# Altium PCB uTCA_MCH_PCB3.pcbdoc (part 17 of 25) (continued)
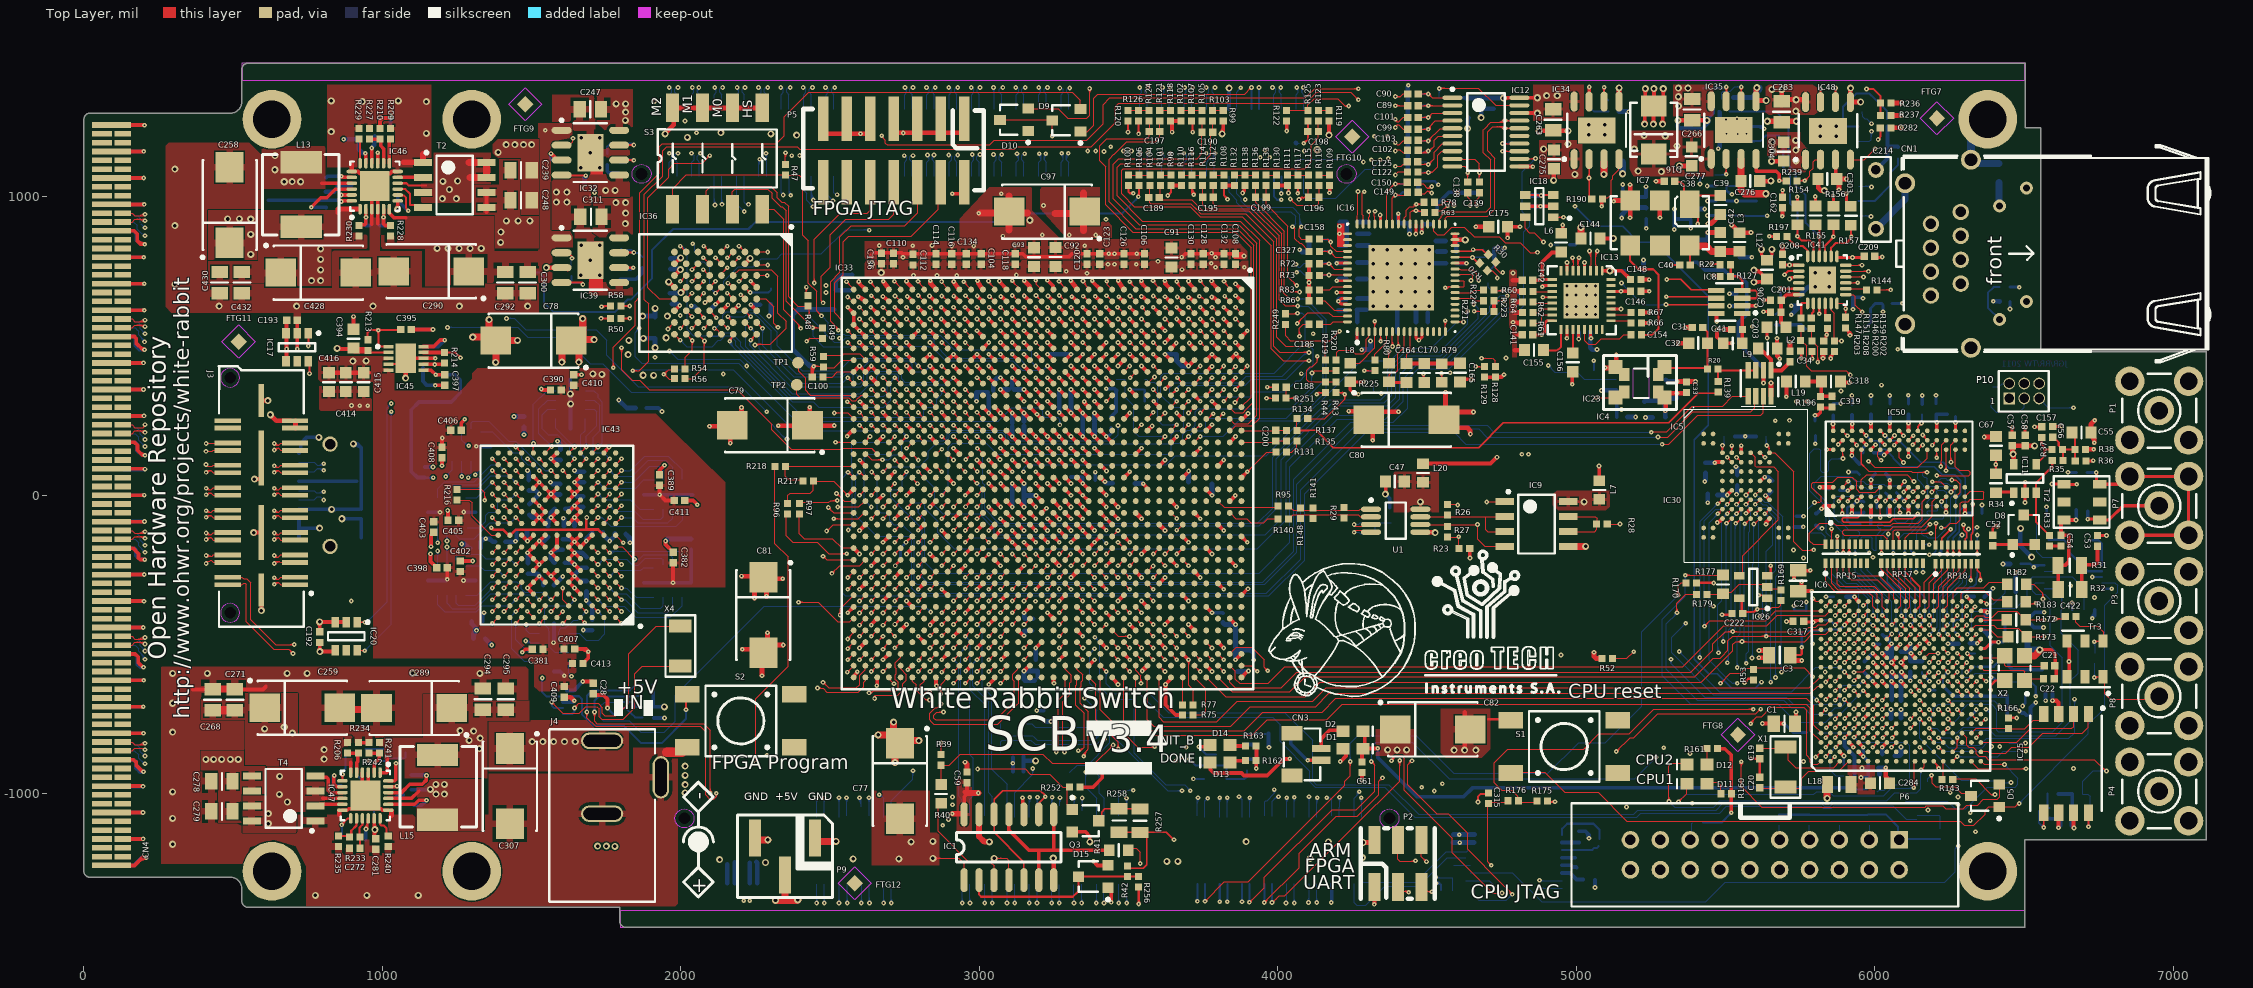
[diagram p0: Top Layer view]
## Nets (pads, with @x,y where several pads share a name; then routed paths per layer and width w, separated by ;. In a path a pad name is that pad's centre, name@x,y a point inside that pad or via, vN(x,y) a via of type N, cw(c..) or ccw(c..) an arc to the next point about the centre after c; other vN are vias at no path point) (continued)
  Bottom Layer w3.94: RP4.9@1297.24,222.44 1297.24,242.13 1303.15,248.03 1356.3,248.03 1423.23,181.1 1446.85,181.1 1545.28,82.68 v1(1564.96,82.68) ; v1@1560.78,78.5 ccw(c1550.7,68.42) 1550.7,82.68 ccw(c1550.7,96.93) v1@1560.78,86.85
  other v1: 2598.55,-394.7
Q2_A7: IC33.AM28 IC43.N7 RP4.10 | length 2225.2
  Top Layer w3.94: v1@1525.59,76.77 cw(c1525.59,62.51) 1535.67,72.6 cw(c1545.75,82.68) v1@1531.5,82.68 ; v1(1525.59,82.68) IC43.N7@1545.28,62.99 ; v1@2637.79,-393.7 IC33.AM28@2657.48,-374.02 ; v1@2637.92,-388.8 ccw(c2637.92,-377.28) 2646.07,-385.42 ; v1@2643.83,-394.7 cw(c2660.82,-394.7) 2648.81,-382.69
  MidLayer3 w3.94: v1@1525.59,76.77 cw(c1525.59,62.51) 1535.67,72.6 cw(c1545.75,82.68) v1@1531.5,82.68 ; v1(1525.59,82.68) 1543.31,64.96 1543.31,-79.72 1638.78,-175.2 1783.46,-175.2 1855.64,-247.37 1860.24,-247.37 ; 1861.37,-246.24 1865.96,-246.24 1876.68,-256.96 1876.68,-261.55 ; 1875.55,-262.69 1875.55,-267.28 1880.91,-272.64 1908.17,-272.64 1911.42,-269.39 1911.42,-255.21 1914.67,-251.97 1929.82,-251.97 1933.07,-255.21 1933.07,-269.39 1936.32,-272.64 1973.13,-272.64 1976.38,-275.89 1976.38,-278.76 1979.63,-282.01 1994.78,-282.01 1998.03,-278.76 1998.03,-275.89 2001.28,-272.64 2016.44,-272.64 2019.69,-275.89 2019.69,-294.51 2022.93,-297.76 2038.09,-297.76 2041.34,-294.51 2041.34,-275.89 2044.59,-272.64 2059.74,-272.64 2062.99,-275.89 2062.99,-294.51 2066.24,-297.76 2081.4,-297.76 2084.65,-294.51 2084.65,-275.89 2087.89,-272.64 2103.05,-272.64 2106.3,-275.89 2106.3,-294.51 2109.55,-297.76 2124.7,-297.76 2127.95,-294.51 2127.95,-275.89 2131.2,-272.64 2160.43,-272.64 2167.86,-280.07 2167.86,-284.66 2158.74,-293.79 2158.74,-301.87 2164.92,-308.05 2175.1,-308.05 2185.47,-297.68 2192.04,-291.11 2196.63,-291.11 2207.35,-301.83 2207.35,-306.42 2200.78,-312.99 2189.36,-324.41 2189.36,-332.5 2196.51,-339.65 2204.45,-339.65 2204.6,-339.8 2216.1,-328.3 2222.66,-321.73 2227.26,-321.73 2233.46,-327.94 2233.46,-341.55 2220.06,-354.95 2220.06,-362.25 2227.69,-369.88 2235.77,-369.88 2247.92,-357.72 2263.24,-357.72 2268.6,-363.07 2268.6,-367.67 2264.33,-371.94 2264.33,-376.53 2269.69,-381.89 2283.17,-381.89 2286.42,-385.14 2286.42,-403.76 2289.67,-407.01 2304.82,-407.01 2308.07,-403.76 2308.07,-385.14 2311.32,-381.89 2453.74,-381.89 2466.54,-394.68 2504.92,-394.68 2527.56,-417.32 2614.17,-417.32 2637.36,-394.14 v1@2637.79,-393.7 ; 2625.91,-405.59 cw(c2637.92,-417.6) v1@2637.92,-400.61 ; 2628.64,-402.85 ccw(c2620.49,-394.7) v1@2632.02,-394.7
  Bottom Layer w3.94: RP4.10@1328.74,212.6 1368.11,212.6 1438.98,141.73 1454.72,141.73 1466.54,129.92 1466.54,122.25 1486.42,102.36 1507.87,102.36 v1@1525.59,84.65 ; 1514.12,96.12 cw(c1500.67,82.68) v1@1519.68,82.68 ; 1518.87,91.37 ccw(c1525.59,98.09) v1@1525.59,88.58 ; 1520.84,89.4 cw(c1514.11,82.68) v1@1523.62,82.68
  other v1: 2637.92,-394.7
Q2_A8: IC33.AM26 IC43.P4 RP2.5 | length 2173.7
  Top Layer w3.94: IC43.P4@1663.39,102.36 v1(1683.07,122.05) ; v1@1677.17,122.05 cw(c1662.91,122.05) 1672.99,111.97 cw(c1683.07,101.88) v1@1683.07,116.14 ; v1(2637.79,-314.96) IC33.AM26@2657.48,-295.28 ; v1@2637.79,-309.06 ccw(c2637.79,-294.8) 2647.88,-304.88 ccw(c2657.96,-314.96) v1@2643.7,-314.96
  MidLayer3 w3.94: v1@1683.07,116.14 cw(c1683.07,101.88) 1693.15,111.97 cw(c1703.23,122.05) v1@1688.98,122.05 ; v1(1683.07,122.05) 1702.76,102.36 1728.35,102.36 1739.17,91.54 1739.17,37.4 1752.95,23.62 1767.42,23.62 1770.67,26.87 1770.67,34.07 1773.92,37.32 1789.07,37.32 1792.32,34.07 1792.32,26.87 1795.57,23.62 1824.8,23.62 1833.44,14.98 1838.03,14.98 1853.99,30.94 1858.58,30.94 1869.3,20.22 1869.3,15.62 1851.05,-2.62 1832.8,-20.87 1832.8,-25.47 1843.52,-36.18 1848.11,-36.18 1864.06,-20.23 1868.66,-20.23 1874.02,-25.59 1877.66,-25.59 1880.91,-22.34 1880.91,0.22 1884.15,3.46 1899.31,3.46 1902.56,0.22 1902.56,-51.4 1905.81,-54.65 1920.96,-54.65 1924.21,-51.4 1924.21,-14.47 1927.46,-11.22 1942.62,-11.22 1945.87,-14.47 1945.87,-22.34 1949.11,-25.59 1956.69,-25.59 1986.22,-55.12 2000.69,-55.12 2003.94,-58.37 2003.94,-71.04 2007.19,-74.29 2022.34,-74.29 2025.59,-71.04 2025.59,-41.72 2028.84,-38.47 2044,-38.47 2047.24,-41.72 2047.24,-71.04 2050.49,-74.29 2065.65,-74.29 2068.9,-71.04 2068.9,-29.31 2072.15,-26.06 2087.3,-26.06 2090.55,-29.31 2090.55,-71.04 2093.8,-74.29 2108.96,-74.29 2112.2,-71.04 2112.2,-29.31 2115.45,-26.06 2130.61,-26.06 2133.86,-29.31 2133.86,-71.04 2137.11,-74.29 2152.26,-74.29 2155.51,-71.04 2155.51,-29.31 2158.76,-26.06 2173.92,-26.06 2177.17,-29.31 2177.17,-71.04 2180.41,-74.29 2195.57,-74.29 2198.82,-71.04 2198.82,-58.37 2202.07,-55.12 2216.16,-55.12 2266.79,-105.75 2275.69,-105.75 2280.51,-100.93 2285.1,-100.93 2295.82,-111.65 2295.82,-116.24 2291.01,-121.06 2291.01,-125.65 2301.72,-136.37 2306.32,-136.37 2311.13,-131.55 2315.73,-131.55 2326.44,-142.27 2326.44,-146.86 2321.63,-151.68 2321.63,-156.27 2332.35,-166.99 2336.94,-166.99 2341.76,-162.18 2346.35,-162.18 2357.07,-172.89 2357.07,-177.49 2352.25,-182.3 2352.25,-186.9 2362.97,-197.61 2367.56,-197.61 2372.38,-192.8 2376.97,-192.8 2387.69,-203.52 2387.69,-208.11 2382.87,-212.93 2382.87,-217.52 2409.45,-244.09 2458.66,-244.09 2507.87,-293.31 2583.66,-293.31 2588.58,-298.23 2621.06,-298.23 v1(2637.79,-314.96) ; v1@2631.89,-314.96 ccw(c2617.63,-314.96) 2627.71,-304.88 ccw(c2637.79,-294.8) v1@2637.79,-309.06
  Bottom Layer w3.94: v1@1677.17,122.05 ccw(c1662.91,122.05) 1672.99,132.13 ccw(c1683.07,142.21) v1@1683.07,127.95 ; RP2.5@1679.13,255.9 1679.13,216.54 1665.35,202.76 1665.35,139.76 v1(1683.07,122.05)
Q2_A9: IC33.AJ25 IC43.P5 RP2.8 | length 2258.7
  Top Layer w3.94: IC43.P5@1624.02,102.36 v1(1643.7,122.05) ; v1@1637.8,122.05 cw(c1623.54,122.05) 1633.62,111.97 cw(c1643.7,101.88) v1@1643.7,116.14 ; v1(2755.9,-275.59) IC33.AJ25@2775.59,-255.91 ; v1@2755.9,-269.69 ccw(c2755.9,-255.43) 2765.99,-265.51 ccw(c2776.07,-275.59) v1@2761.81,-275.59
  MidLayer3 w3.94: v1(1643.7,122.05) 1663.39,141.73 1807.09,141.73 1814.41,134.4 1819.01,134.4 1829.39,144.79 1833.98,144.79 1844.7,134.07 1844.7,129.48 1819.34,104.12 1819.34,99.52 1830.06,88.8 1834.65,88.8 1860.01,114.17 1864.61,114.17 1875.33,103.45 1875.33,98.85 1864.94,88.47 1864.94,83.88 1878.01,70.81 1939.79,70.81 1950.51,60.09 1950.51,55.5 1940.62,45.6 1930.72,35.71 1930.72,31.11 1941.44,20.4 1946.03,20.4 1953.63,28 1958.22,28 1963.58,22.64 1987.89,22.64 1991.14,19.39 1991.14,8.64 1994.39,5.39 2009.55,5.39 2012.8,8.64 2012.8,36.63 2016.04,39.88 2031.2,39.88 2034.45,36.63 2034.45,8.64 2037.7,5.39 2052.85,5.39 2056.1,8.64 2056.1,36.63 2059.35,39.88 2074.51,39.88 2077.76,36.63 2077.76,8.64 2081,5.39 2096.16,5.39 2099.41,8.64 2099.41,36.63 2102.66,39.88 2117.82,39.88 2121.06,36.63 2121.06,8.64 2124.31,5.39 2139.47,5.39 2142.72,8.64 2142.72,32.46 2145.96,35.71 2153.23,35.71 2156.83,32.11 2156.83,22.03 2161,17.86 2161,4.39 2165.48,-0.09 2173.8,-0.09 2180.58,6.69 2191.14,6.69 2207.52,-9.68 2207.52,-14.27 2199.92,-21.87 2199.92,-26.47 2210.63,-37.19 2215.23,-37.19 2222.83,-29.59 2227.42,-29.59 2238.14,-40.3 2238.14,-44.9 2231.36,-51.67 2231.36,-56.27 2242.08,-66.98 2246.67,-66.98 2253.45,-60.21 2258.04,-60.21 2268.76,-70.93 2268.76,-75.52 2265.55,-78.73 2265.55,-83.32 2276.27,-94.04 2280.86,-94.04 2284.07,-90.83 2288.67,-90.83 2375.94,-178.11 2380.53,-178.11 2384.85,-173.79 2389.44,-173.79 2400.16,-184.51 2400.16,-189.1 2395.85,-193.42 2395.85,-198.01 2416.52,-218.68 2435.73,-218.68 2438.98,-221.93 2438.98,-232.68 2442.22,-235.92 2457.38,-235.92 2460.63,-232.68 2460.63,-221.93 2463.88,-218.68 2494.27,-218.68 2527.56,-251.97 2595.47,-251.97 2636.81,-293.31 2738.19,-293.31 v1(2755.9,-275.59) ; v1@1643.7,127.95 ccw(c1643.7,142.21) 1653.78,132.13 ccw(c1663.86,122.05) v1@1649.61,122.05 ; v1@2750,-275.59 cw(c2735.74,-275.59) 2745.82,-285.67 cw(c2755.9,-295.75) v1@2755.9,-281.5
  Bottom Layer w3.94: RP2.8@1580.71,287.4 1553.15,287.4 1535.43,269.68 1535.43,222.44 1555.12,202.76 1586.61,202.76 1627.95,161.42 1627.95,137.8 v1@1641.73,124.02 ; v1@1637.8,122.05 ccw(c1623.54,122.05) 1633.62,132.13 ccw(c1643.7,142.21) v1@1643.7,127.95
Q2_A10: IC33.AN29 IC43.P7 RP4.2 | length 2451.2
  Top Layer w3.94: v1@2598.43,-433.07 IC33.AN29@2618.11,-413.39 ; v1@2598.55,-429.16 ccw(c2598.55,-420.01) 2605.02,-426.48 ; v1@2600.52,-435.06 cw(c2610.38,-435.06) 2603.41,-428.09 ; v1@2604.46,-435.06 cw(c2623.82,-435.06) 2610.13,-421.37 ; 1535.67,111.97 cw(c1545.75,122.05) 1531.5,122.05 ccw(c1545.76,122.05) 1535.67,111.96 ; 1535.67,111.97 ccw(c1525.59,101.88) 1525.59,116.14 cw(c1525.59,101.89) 1535.67,111.97 ; v1(1525.59,122.05) IC43.P7@1545.28,102.36 v1(1525.59,122.05)
  MidLayer1 w3.94: v1@1306.85,73.07 ccw(c1296.77,83.15) 1311.02,83.15 ccw(c1325.28,83.15) v1@1315.2,73.07 ; v1(1311.02,68.9) 1311.02,133.86 1358.27,181.1 1468.5,181.1 v1@1525.59,124.02 ; 1514.12,135.49 cw(c1500.68,122.05) v1@1519.69,122.05 ; 1518.87,130.74 ccw(c1525.59,137.46) v1@1525.59,127.95 ; 1520.84,128.77 cw(c1514.12,122.05) v1@1523.62,122.05
  MidLayer3 w3.94: v1@1519.69,122.05 cw(c1505.43,122.05) 1515.51,111.97 cw(c1525.59,101.88) v1@1525.59,116.14 ; v1(1525.59,122.05) 1505.91,102.36 1505.91,-3.64 1509.15,-6.89 1514.39,-6.89 1517.64,-10.14 1517.64,-25.3 1514.39,-28.54 1495.85,-28.54 1492.6,-31.79 1492.6,-46.95 1495.85,-50.2 1502.66,-50.2 1505.91,-53.44 1505.91,-82.68 1523.18,-99.95 1527.77,-99.95 1532.58,-95.14 1537.17,-95.14 1547.89,-105.86 1547.89,-110.45 1540.79,-117.56 1533.67,-124.67 1533.67,-129.27 1544.39,-139.98 1548.99,-139.98 1556.1,-132.87 1563.2,-125.77 1567.8,-125.77 1578.51,-136.48 1578.51,-141.08 1571.41,-148.18 1564.3,-155.29 1564.3,-159.89 1575.02,-170.61 1579.61,-170.61 1593.83,-156.39 1598.42,-156.39 1609.14,-167.11 1609.14,-171.7 1602.03,-178.8 1594.92,-185.92 1594.92,-190.51 1605.64,-201.23 1610.23,-201.23 1615.05,-196.41 1619.64,-196.41 1635.83,-212.6 1647.34,-212.6 1650.59,-209.35 1650.59,-204.12 1653.84,-200.87 1669,-200.87 1672.24,-204.12 1672.24,-238.41 1675.49,-241.65 1690.65,-241.65 1693.9,-238.41 1693.9,-204.12 1697.15,-200.87 1712.3,-200.87 1715.55,-204.12 1715.55,-209.35 1718.8,-212.6 1733.96,-212.6 1737.2,-209.35 ; 1737.2,-207.35 1740.45,-204.11 1755.61,-204.11 1758.86,-207.35 ; 1758.86,-209.35 1762.11,-212.6 1803.15,-212.6 1840.55,-250 1840.55,-257.87 1867.13,-284.45 1941.93,-284.45 1965.55,-308.07 2149.51,-308.07 2226.28,-384.84 2249.02,-384.84 2279.53,-415.35 2312.01,-415.35 2320.87,-406.5 2342.13,-406.5 2346.46,-402.17 2346.46,-393.58 2350.79,-389.25 2363.78,-389.25 2368.11,-393.58 2368.11,-402.17 2372.44,-406.5 2385.43,-406.5 2389.76,-402.17 2389.76,-396.06 2394.09,-391.73 2407.09,-391.73 2411.42,-396.06 2411.42,-402.17 2415.75,-406.5 2428.74,-406.5 2433.07,-402.17 2433.07,-396.06 2437.4,-391.73 2450.39,-391.73 2465.16,-406.5 2502.95,-406.5 2529.53,-433.07 v1@2598.43,-433.07 ; 2579.49,-433.07 cw(c2579.49,-454.12) v1@2594.38,-439.24 ; 2589,-433.07 cw(c2589,-444.62) v1@2597.16,-436.45 ; 2589.1,-433.07 ccw(c2589.1,-425.61) v1@2594.38,-430.88
  Bottom Layer w3.94: v1(1311.02,68.9) 1328.74,86.61 RP4.2@1328.74,114.17 ; v1@1311.02,74.8 ccw(c1311.02,89.06) 1321.1,78.98 ccw(c1331.19,68.9) v1@1316.93,68.9
  other v1: 2598.55,-435.06
Q2_A11: IC33.AL28 IC43.P8 RP4.3 | length 2359
  Top Layer w3.94: v1@2677.16,-393.7 IC33.AL28@2696.85,-374.02 ; v1@2677.3,-388.8 ccw(c2677.3,-377.28) 2685.44,-385.43 ; v1@2683.2,-394.7 cw(c2700.2,-394.7) 2688.18,-382.69 ; 1496.3,111.96 cw(c1506.39,122.05) 1492.13,122.05 ccw(c1506.38,122.05) 1496.3,111.97 ; 1496.3,111.97 ccw(c1486.22,101.89) 1486.22,116.14 cw(c1486.22,101.88) 1496.3,111.97 ; v1(1486.22,122.05) IC43.P8@1505.91,102.36 v1(1486.22,122.05)
  MidLayer1 w3.94: v1(1287.4,59.06) 1295.28,51.18 1334.65,51.18 1350.39,66.93 1350.39,90.55 1362.2,102.36 1374.02,102.36 1389.76,118.11 1389.76,127.95 1403.54,141.73 1466.54,141.73 v1(1486.22,122.05) ; v1@1480.31,122.05 ccw(c1466.06,122.05) 1476.14,132.13 ccw(c1486.22,142.21) v1@1486.22,127.95
  MidLayer3 w3.94: v1@1480.31,122.05 cw(c1466.06,122.05) 1476.14,111.97 cw(c1486.22,101.88) v1@1486.22,116.14 ; v1(1486.22,122.05) 1466.54,102.36 1466.54,-84.65 1502.15,-120.26 1502.15,-152.62 1526.51,-176.99 1571.56,-176.99 1580.89,-186.32 1580.89,-218.33 ; 1580.71,-218.5 1616.14,-253.94 1812.01,-253.94 1869.09,-311.02 1938.98,-311.02 1946.85,-318.9 2077.46,-318.9 2080.71,-322.15 ; 2080.71,-323.99 2083.96,-327.24 2099.11,-327.24 2102.36,-323.99 ; 2102.36,-322.15 2105.61,-318.9 2134.84,-318.9 2145.28,-329.34 2145.28,-333.93 2140.47,-338.75 2140.47,-343.34 2151.18,-354.06 2155.78,-354.06 2162.89,-346.95 2168.47,-341.37 2173.06,-341.37 2183.78,-352.08 2183.78,-356.68 2178.2,-362.26 2171.1,-369.36 2171.1,-373.95 2181.82,-384.67 2186.41,-384.67 2199.09,-371.99 2203.69,-371.99 2214.4,-382.71 2214.4,-387.3 2201.72,-399.98 2201.72,-404.58 2212.44,-415.3 2217.03,-415.3 2221.84,-410.49 2226.43,-410.49 2239.17,-423.23 2348.13,-423.23 2351.38,-419.98 2351.38,-416.1 2354.63,-412.85 2369.78,-412.85 2373.03,-416.1 2373.03,-419.98 2376.28,-423.23 2391.44,-423.23 2394.69,-419.98 2394.69,-416.1 2397.93,-412.85 2413.09,-412.85 2416.34,-416.1 2416.34,-419.98 2419.59,-423.23 2434.74,-423.23 2437.99,-419.98 2437.99,-416.1 2441.24,-412.85 2456.4,-412.85 2459.65,-416.1 2459.65,-419.98 2462.89,-423.23 2504.92,-423.23 2532.48,-450.79 2608.27,-450.79 2618.11,-440.94 2618.11,-427.17 2633.86,-411.42 2659.45,-411.42 2676.73,-394.14 v1@2677.16,-393.7 ; 2665.28,-405.59 cw(c2677.3,-417.61) v1@2677.3,-400.61 ; 2668.02,-402.85 ccw(c2659.87,-394.7) v1@2671.39,-394.7
  Bottom Layer w3.94: v1(1287.4,59.06) 1297.24,68.9 ; v1@1287.5,64.96 ccw(c1287.73,78.41) 1297.24,68.9 ; v1@1293.31,59.16 cw(c1306.75,59.39) 1297.24,68.9 ; RP4.3@1297.24,114.17 1297.24,68.9
  other v1: 2677.3,-394.7
Q2_A12: IC33.AH25 IC43.R3 RP2.2 | length 2184.4
  Top Layer w3.94: IC43.R3@1702.76,141.73 v1(1722.44,161.42) ; v1@1716.54,161.42 cw(c1702.28,161.42) 1712.36,151.34 cw(c1722.44,141.26) v1@1722.44,155.51 ; v1(2795.27,-275.59) IC33.AH25@2814.96,-255.91 ; v1@2795.27,-269.69 ccw(c2795.27,-255.43) 2805.36,-265.51 ccw(c2815.44,-275.59) v1@2801.18,-275.59
  MidLayer3 w3.94: v1(1722.44,161.42) 1724.13,163.11 1734.02,163.11 ; v1@1726.62,165.6 ccw(c1732.62,171.59) 1732.62,163.11 ; v1@1727.86,159.07 cw(c1734.02,156.4) 1734.02,163.11 ; 1808.07,156.79 1804.82,153.54 1789.67,153.54 1786.42,156.79 1786.42,170.97 1783.6,173.78 1744.69,173.78 1734.02,163.11 ; 1808.07,158.17 1811.32,161.42 1826.48,161.42 1829.72,158.17 ; 1829.72,156.79 1832.97,153.54 1859.25,153.54 1889.76,123.03 1897.34,123.03 1900.59,126.28 1900.59,152.78 1903.84,156.02 1919,156.02 1922.24,152.78 1922.24,115.72 1925.49,112.47 1940.65,112.47 1943.9,115.72 1943.9,119.78 1947.15,123.03 1959.83,123.03 1965.19,117.67 1969.78,117.67 1988.51,136.41 1993.11,136.41 2003.83,125.69 2003.83,121.1 1982.79,100.06 1961.76,79.03 1961.76,74.44 1972.48,63.72 1977.07,63.72 1995.81,82.46 2000.4,82.46 2019.87,62.99 2040.06,62.99 2043.31,66.24 2043.31,73.05 2046.56,76.3 2061.71,76.3 2064.96,73.05 2064.96,52.93 2068.21,49.68 2083.37,49.68 2086.61,52.93 2086.61,73.05 2089.86,76.3 2105.02,76.3 2108.27,73.05 2108.27,52.93 2111.52,49.68 2126.67,49.68 2129.92,52.93 2129.92,73.05 2133.17,76.3 2148.33,76.3 2151.57,73.05 2151.57,66.24 2154.82,62.99 2162.4,62.99 2170.43,54.96 2170.43,50.37 2165.61,45.55 2165.61,40.96 2176.33,30.24 2180.92,30.24 2185.74,35.06 2190.33,35.06 2201.05,24.34 2201.05,19.75 2199.2,17.89 2199.2,13.3 2209.92,2.58 2214.51,2.58 2216.36,4.44 2220.96,4.44 2231.67,-6.28 2231.67,-10.87 2229.82,-12.73 2229.82,-17.32 2240.54,-28.04 2245.13,-28.04 2246.99,-26.19 2251.58,-26.19 2262.3,-36.9 2262.3,-41.5 2260.44,-43.35 2260.44,-47.95 2271.16,-58.66 2275.75,-58.66 2277.61,-56.81 2282.2,-56.81 2292.92,-67.53 2292.92,-72.12 2291.07,-73.97 2291.07,-78.57 2301.78,-89.29 2306.38,-89.29 2308.23,-87.43 2312.82,-87.43 2323.54,-98.15 2323.54,-102.74 2321.69,-104.6 2321.69,-109.19 2332.41,-119.91 2337,-119.91 2338.85,-118.05 2343.45,-118.05 2354.17,-128.77 2354.17,-133.37 2352.31,-135.22 2352.31,-139.81 2363.03,-150.53 2367.62,-150.53 2369.48,-148.68 2374.07,-148.68 2394.68,-169.29 2419,-169.29 2422.24,-166.04 2422.24,-159.27 2425.49,-156.02 2440.65,-156.02 2443.9,-159.27 2443.9,-179.35 2447.15,-182.6 2462.3,-182.6 2465.55,-179.35 2465.55,-172.54 2468.8,-169.29 2476.38,-169.29 2483.48,-176.4 2488.08,-176.4 2492.89,-171.58 2497.49,-171.58 2508.2,-182.3 2508.2,-186.89 2493.98,-201.12 2493.98,-205.71 2504.7,-216.43 2509.29,-216.43 2516.4,-209.32 2523.52,-202.2 2528.11,-202.2 2538.83,-212.92 2538.83,-217.51 2534.01,-222.33 2534.01,-226.92 2539.37,-232.28 2549.9,-232.28 2553.15,-235.53 2553.15,-241.83 2556.4,-245.08 2571.56,-245.08 2574.8,-241.83 2574.8,-235.53 2578.05,-232.28 2610.24,-232.28 2631.89,-253.94 2759.84,-253.94 2781.5,-275.59 ; v1@2791,-279.66 ccw(c2781.5,-288.71) 2781.5,-275.59 ; v1@2791,-271.52 cw(c2781.5,-262.48) 2781.5,-275.59 ; v1(2795.27,-275.59) 2781.5,-275.59
  Bottom Layer w3.94: RP2.2@1681.1,350.39 1708.66,350.39 1722.44,336.61 1722.44,326.77 1737.2,312.01 1737.2,176.18 v1(1722.44,161.42) ; v1@1722.44,167.32 ccw(c1722.44,181.58) 1732.52,171.5 ccw(c1742.6,161.42) v1@1728.35,161.42
Q2_A13: IC33.AG26 IC43.R4 RP2.4 | length 2183
  Top Layer w3.94: IC43.R4@1663.39,141.73 v1(1683.07,161.42) ; v1@1677.17,161.42 cw(c1662.91,161.42) 1672.99,151.34 cw(c1683.07,141.26) v1@1683.07,155.51 ; v1(2834.64,-314.96) IC33.AG26@2854.33,-295.28 ; v1@2834.64,-309.06 ccw(c2834.64,-294.8) 2844.73,-304.88 ccw(c2854.81,-314.96) v1@2840.55,-314.96
  MidLayer3 w3.94: v1(1683.07,161.42) 1702.75,181.1 1798.92,181.1 1802.17,177.85 1802.17,171.56 1805.41,168.31 1854.23,168.31 1863.88,168.31 1867.13,171.56 1867.13,191.16 1870.37,194.41 1885.53,194.41 1888.78,191.16 1888.78,171.56 1892.03,168.31 1907.19,168.31 1910.43,171.56 1910.43,191.16 1913.68,194.41 1928.84,194.41 1932.09,191.16 1932.09,171.04 1935.33,167.8 1950.49,167.8 1953.74,171.04 1953.74,191.16 1956.99,194.41 1972.15,194.41 1975.39,191.16 1975.39,184.35 1978.64,181.1 1986.22,181.1 2003.72,163.61 2008.31,163.61 2013.13,168.42 2017.72,168.42 2028.44,157.7 2028.44,153.11 2021.32,146 2014.21,138.89 2014.21,134.29 2024.93,123.57 2029.52,123.57 2034.34,128.39 2038.93,128.39 2044.29,123.03 2063.68,123.03 2066.93,119.78 2066.93,112.97 2070.18,109.72 2085.33,109.72 2088.58,112.97 2088.58,133.09 2091.83,136.34 2106.99,136.34 2110.24,133.09 2110.24,126.28 2113.48,123.03 2121.06,123.03 2124.99,119.11 2124.99,114.51 2120.17,109.7 2120.17,105.1 2130.89,94.39 2135.48,94.39 2142.6,101.5 2146.84,105.75 2151.44,105.75 2162.15,95.03 2162.15,90.43 2160.2,88.48 2160.2,83.89 2170.92,73.17 2175.51,73.17 2177.47,75.12 2182.06,75.12 2192.78,64.41 2192.78,59.81 2190.83,57.86 2190.83,53.27 2201.54,42.55 2206.14,42.55 2208.09,44.5 2212.68,44.5 2223.4,33.78 2223.4,29.19 2221.45,27.24 2221.45,22.65 2232.17,11.93 2236.76,11.93 2238.71,13.88 2243.3,13.88 2254.02,3.16 2254.02,-1.43 2252.07,-3.38 2252.07,-7.98 2262.79,-18.7 2267.38,-18.7 2269.33,-16.74 2273.93,-16.74 2284.64,-27.46 2284.64,-32.06 2282.69,-34.01 2282.69,-38.6 2293.41,-49.32 2298.01,-49.32 2299.96,-47.37 2304.55,-47.37 2315.27,-58.09 2315.27,-62.68 2313.32,-64.63 2313.32,-69.22 2324.03,-79.94 2328.63,-79.94 2330.58,-77.99 2335.17,-77.99 2345.89,-88.71 2345.89,-93.3 2343.94,-95.25 2343.94,-99.85 2354.66,-110.56 2359.25,-110.56 2364.07,-105.75 2368.66,-105.75 2379.38,-116.46 2379.38,-121.06 2374.56,-125.87 2374.56,-130.47 2379.92,-135.83 2403.25,-135.83 2406.5,-132.58 2406.5,-125.77 2409.74,-122.52 2424.9,-122.52 2428.15,-125.77 2428.15,-145.89 2431.4,-149.13 2446.56,-149.13 2449.8,-145.89 2449.8,-125.77 2453.05,-122.52 2468.21,-122.52 2471.46,-125.77 2471.46,-145.89 2474.7,-149.13 2489.86,-149.13 2493.11,-145.89 2493.11,-139.07 2496.36,-135.83 2511.52,-135.83 2514.76,-139.07 2514.76,-145.89 2518.01,-149.13 2533.17,-149.13 2536.42,-145.89 2536.42,-139.07 2539.67,-135.83 2556.69,-135.83 2582.68,-161.81 2582.68,-200.79 2596.46,-214.57 2745.31,-214.57 2790.58,-259.84 2805.12,-259.84 2814.96,-269.68 2814.96,-295.28 v1(2834.64,-314.96) ; v1@1683.07,167.32 ccw(c1683.07,181.58) 1693.15,171.5 ccw(c1703.23,161.42) v1@1688.98,161.42 ; v1@2828.74,-314.96 ccw(c2814.48,-314.96) 2824.56,-304.88 ccw(c2834.64,-294.8) v1@2834.64,-309.06
  Bottom Layer w3.94: v1@1678.9,165.6 ccw(c1668.82,175.67) 1683.07,175.67 ; RP2.4@1679.13,287.4 1710.09,287.4 1718.5,278.99 1718.5,232.28 1683.07,196.85 v1@1683.07,163.39 ; 1683.07,175.68 ccw(c1697.33,175.68) v1@1687.25,165.6
Q2_A14: IC33.AG25 IC43.R5 RP2.7 | length 2168.9
  Top Layer w3.94: IC43.R5@1624.02,141.73 v1(1643.7,161.42) ; v1@1637.8,161.42 cw(c1623.54,161.42) 1633.62,151.34 cw(c1643.7,141.26) v1@1643.7,155.51 ; v1(2834.64,-275.59) IC33.AG25@2854.33,-255.91 ; v1@2834.64,-269.69 ccw(c2834.64,-255.43) 2844.73,-265.51 ccw(c2854.81,-275.59) v1@2840.55,-275.59
  MidLayer3 w3.94: v1(1643.7,161.42) 1705.71,223.43 1814.67,223.43 1817.91,220.18 1817.91,209.43 1821.16,206.18 1836.32,206.18 1839.57,209.43 1839.57,237.42 1842.82,240.67 1857.97,240.67 1861.22,237.42 1861.22,209.43 1864.47,206.18 1879.63,206.18 1882.87,209.43 1882.87,237.42 1886.12,240.67 1901.28,240.67 1904.53,237.42 1904.53,209.43 1907.78,206.18 1922.93,206.18 1926.18,209.43 1926.18,237.42 1929.43,240.67 1944.59,240.67 1947.83,237.42 1947.83,209.43 1951.08,206.18 1966.24,206.18 1969.49,209.43 1969.49,220.18 1972.74,223.43 1994.86,223.43 2000.3,217.99 2015.45,217.99 2018.7,221.24 2018.7,225.61 2021.95,228.86 2037.11,228.86 2042.54,223.43 2051.18,223.43 2059.57,215.03 2059.57,207.35 2070.29,196.63 2074.88,196.63 2077.97,199.72 2082.57,199.72 2093.29,189 2093.29,184.41 2090.2,181.32 2090.2,176.73 2100.91,166.01 2105.51,166.01 2108.6,169.1 2113.19,169.1 2123.91,158.38 2123.91,153.79 2120.82,150.7 2120.82,146.1 2131.54,135.39 2136.13,135.39 2139.22,138.48 2150.11,138.48 2157.76,130.83 2157.76,126.24 2154.67,123.15 2154.67,118.55 2165.39,107.84 2169.98,107.84 2173.07,110.93 2177.66,110.93 2188.38,100.21 2188.38,95.61 2185.29,92.52 2185.29,87.93 2196.01,77.21 2200.6,77.21 2203.69,80.3 2208.29,80.3 2219,69.59 2219,64.99 2215.91,61.9 2215.91,57.31 2226.63,46.59 2231.23,46.59 2234.32,49.68 2238.91,49.68 2249.63,38.96 2249.63,34.37 2246.54,31.28 2246.54,26.69 2257.26,15.97 2261.85,15.97 2264.94,19.06 2269.53,19.06 2280.25,8.34 2280.25,3.75 2277.16,0.66 2277.16,-3.94 2287.88,-14.65 2292.47,-14.65 2295.56,-11.56 2300.15,-11.56 2310.87,-22.28 2310.87,-26.88 2307.78,-29.97 2307.78,-34.56 2318.5,-45.28 2323.09,-45.28 2326.18,-42.19 2330.78,-42.19 2341.5,-52.91 2341.5,-57.5 2338.41,-60.59 2338.41,-65.18 2349.12,-75.9 2353.72,-75.9 2356.81,-72.81 2361.4,-72.81 2372.12,-83.53 2372.12,-91.21 2378.23,-97.32 2389.43,-97.32 2397.93,-105.83 2413.09,-105.83 2416.34,-102.58 2416.34,-98.21 2419.59,-94.96 2434.74,-94.96 2437.99,-98.21 2437.99,-102.58 2441.24,-105.83 2456.4,-105.83 2459.65,-102.58 2459.65,-98.21 2462.89,-94.96 2478.05,-94.96 2481.3,-98.21 2481.3,-102.58 2484.55,-105.83 2499.7,-105.83 2505.14,-100.39 2600,-100.39 2611.22,-111.61 2611.22,-163.98 2624.41,-177.17 2763.78,-177.17 2775.59,-188.98 2775.59,-208.66 2783.46,-216.54 2803.15,-216.54 2814.96,-228.35 2814.96,-255.91 2818.9,-259.84 ; v1@1643.7,167.32 ccw(c1643.7,181.58) 1653.78,171.5 ccw(c1663.86,161.42) v1@1649.61,161.42 ; 2815.29,-256.24 v1(2834.64,-275.59) ; v1@2828.74,-275.59 ccw(c2814.48,-275.59) 2824.56,-265.51 ccw(c2834.64,-255.43) v1@2834.64,-269.69
  Bottom Layer w3.94: RP2.7@1580.71,255.9 1580.71,224.41 v1(1643.7,161.42) ; v1@1637.8,161.42 ccw(c1623.55,161.42) 1633.62,171.5 ccw(c1643.7,181.59) v1@1643.7,167.32
Q2_A15: IC33.AL26 IC43.R7 RP2.9 | length 2206.8
  Top Layer w3.94: IC43.R7@1545.28,141.73 v1(1566.93,163.39) ; v1@1561.02,163.39 cw(c1546.77,163.39) 1556.85,153.31 cw(c1566.93,143.22) v1@1566.93,157.48 ; v1(2677.16,-314.96) IC33.AL26@2696.85,-295.28 ; v1@2677.16,-309.06 ccw(c2677.16,-294.8) 2687.25,-304.88 ccw(c2697.33,-314.96) v1@2683.07,-314.96
  MidLayer3 w3.94: v1@1566.93,157.48 cw(c1566.93,143.22) 1577.01,153.3 cw(c1587.09,163.39) v1@1572.83,163.39 ; v1(1566.93,163.39) 1584.65,145.67 ; 1582.68,147.64 1592.52,137.8 1592.52,125.98 1622.05,96.46 1622.05,78.74 1639.76,61.02 1655.51,61.02 1663.39,53.15 1663.39,-76.77 1681.1,-94.49 1820.57,-94.49 1823.82,-91.24 1823.82,-84.43 1827.07,-81.18 1842.23,-81.18 1845.47,-84.43 1845.47,-100.1 1848.72,-103.35 1863.88,-103.35 1867.13,-100.1 1867.13,-84.43 1870.37,-81.18 1885.53,-81.18 1888.78,-84.43 1888.78,-100.48 1892.03,-103.73 1907.19,-103.73 1910.43,-100.48 1910.43,-84.43 1913.68,-81.18 1928.84,-81.18 1932.09,-84.43 1932.09,-104.17 1935.34,-107.42 1950.49,-107.42 1953.74,-104.17 1953.74,-84.43 1956.99,-81.18 1972.15,-81.18 1975.39,-84.43 1975.39,-104.55 1978.64,-107.8 1993.8,-107.8 1997.05,-104.55 1997.05,-84.43 2000.3,-81.18 2015.45,-81.18 2018.7,-84.43 2018.7,-104.55 2021.95,-107.8 2037.11,-107.8 2040.35,-104.55 2040.35,-84.43 2043.6,-81.18 2058.76,-81.18 2062.01,-84.43 2062.01,-104.55 2065.26,-107.8 2080.41,-107.8 2083.66,-104.55 2083.66,-84.43 2086.91,-81.18 2102.07,-81.18 2105.32,-84.43 2105.32,-104.55 2108.56,-107.8 2123.72,-107.8 2126.97,-104.55 2126.97,-84.43 2130.22,-81.18 2145.37,-81.18 2148.62,-84.43 2148.62,-104.55 2151.87,-107.8 2167.03,-107.8 2170.28,-104.55 2170.28,-84.43 2173.52,-81.18 2188.68,-81.18 2191.93,-84.43 2191.93,-104.55 2195.18,-107.8 2210.33,-107.8 2213.58,-104.55 2213.58,-97.74 2216.83,-94.49 2238.98,-94.49 2416.14,-271.65 2448.82,-271.65 2525.59,-348.43 2574.8,-348.43 2590.89,-332.34 2608.69,-332.34 2610.99,-334.65 2657.48,-334.65 v1(2677.16,-314.96) ; v1@2671.26,-314.96 cw(c2657,-314.96) 2667.08,-325.04 cw(c2677.16,-335.12) v1@2677.16,-320.87
  Bottom Layer w3.94: v1@1561.02,163.39 ccw(c1546.77,163.39) 1556.85,173.47 ccw(c1566.93,183.55) v1@1566.93,169.29 ; v1(1566.93,163.39) 1523.62,206.69 1523.62,289.37 1553.15,318.9 RP2.9@1580.71,318.9